# Allegro board BRD-05058-03_A1.brd (continued)
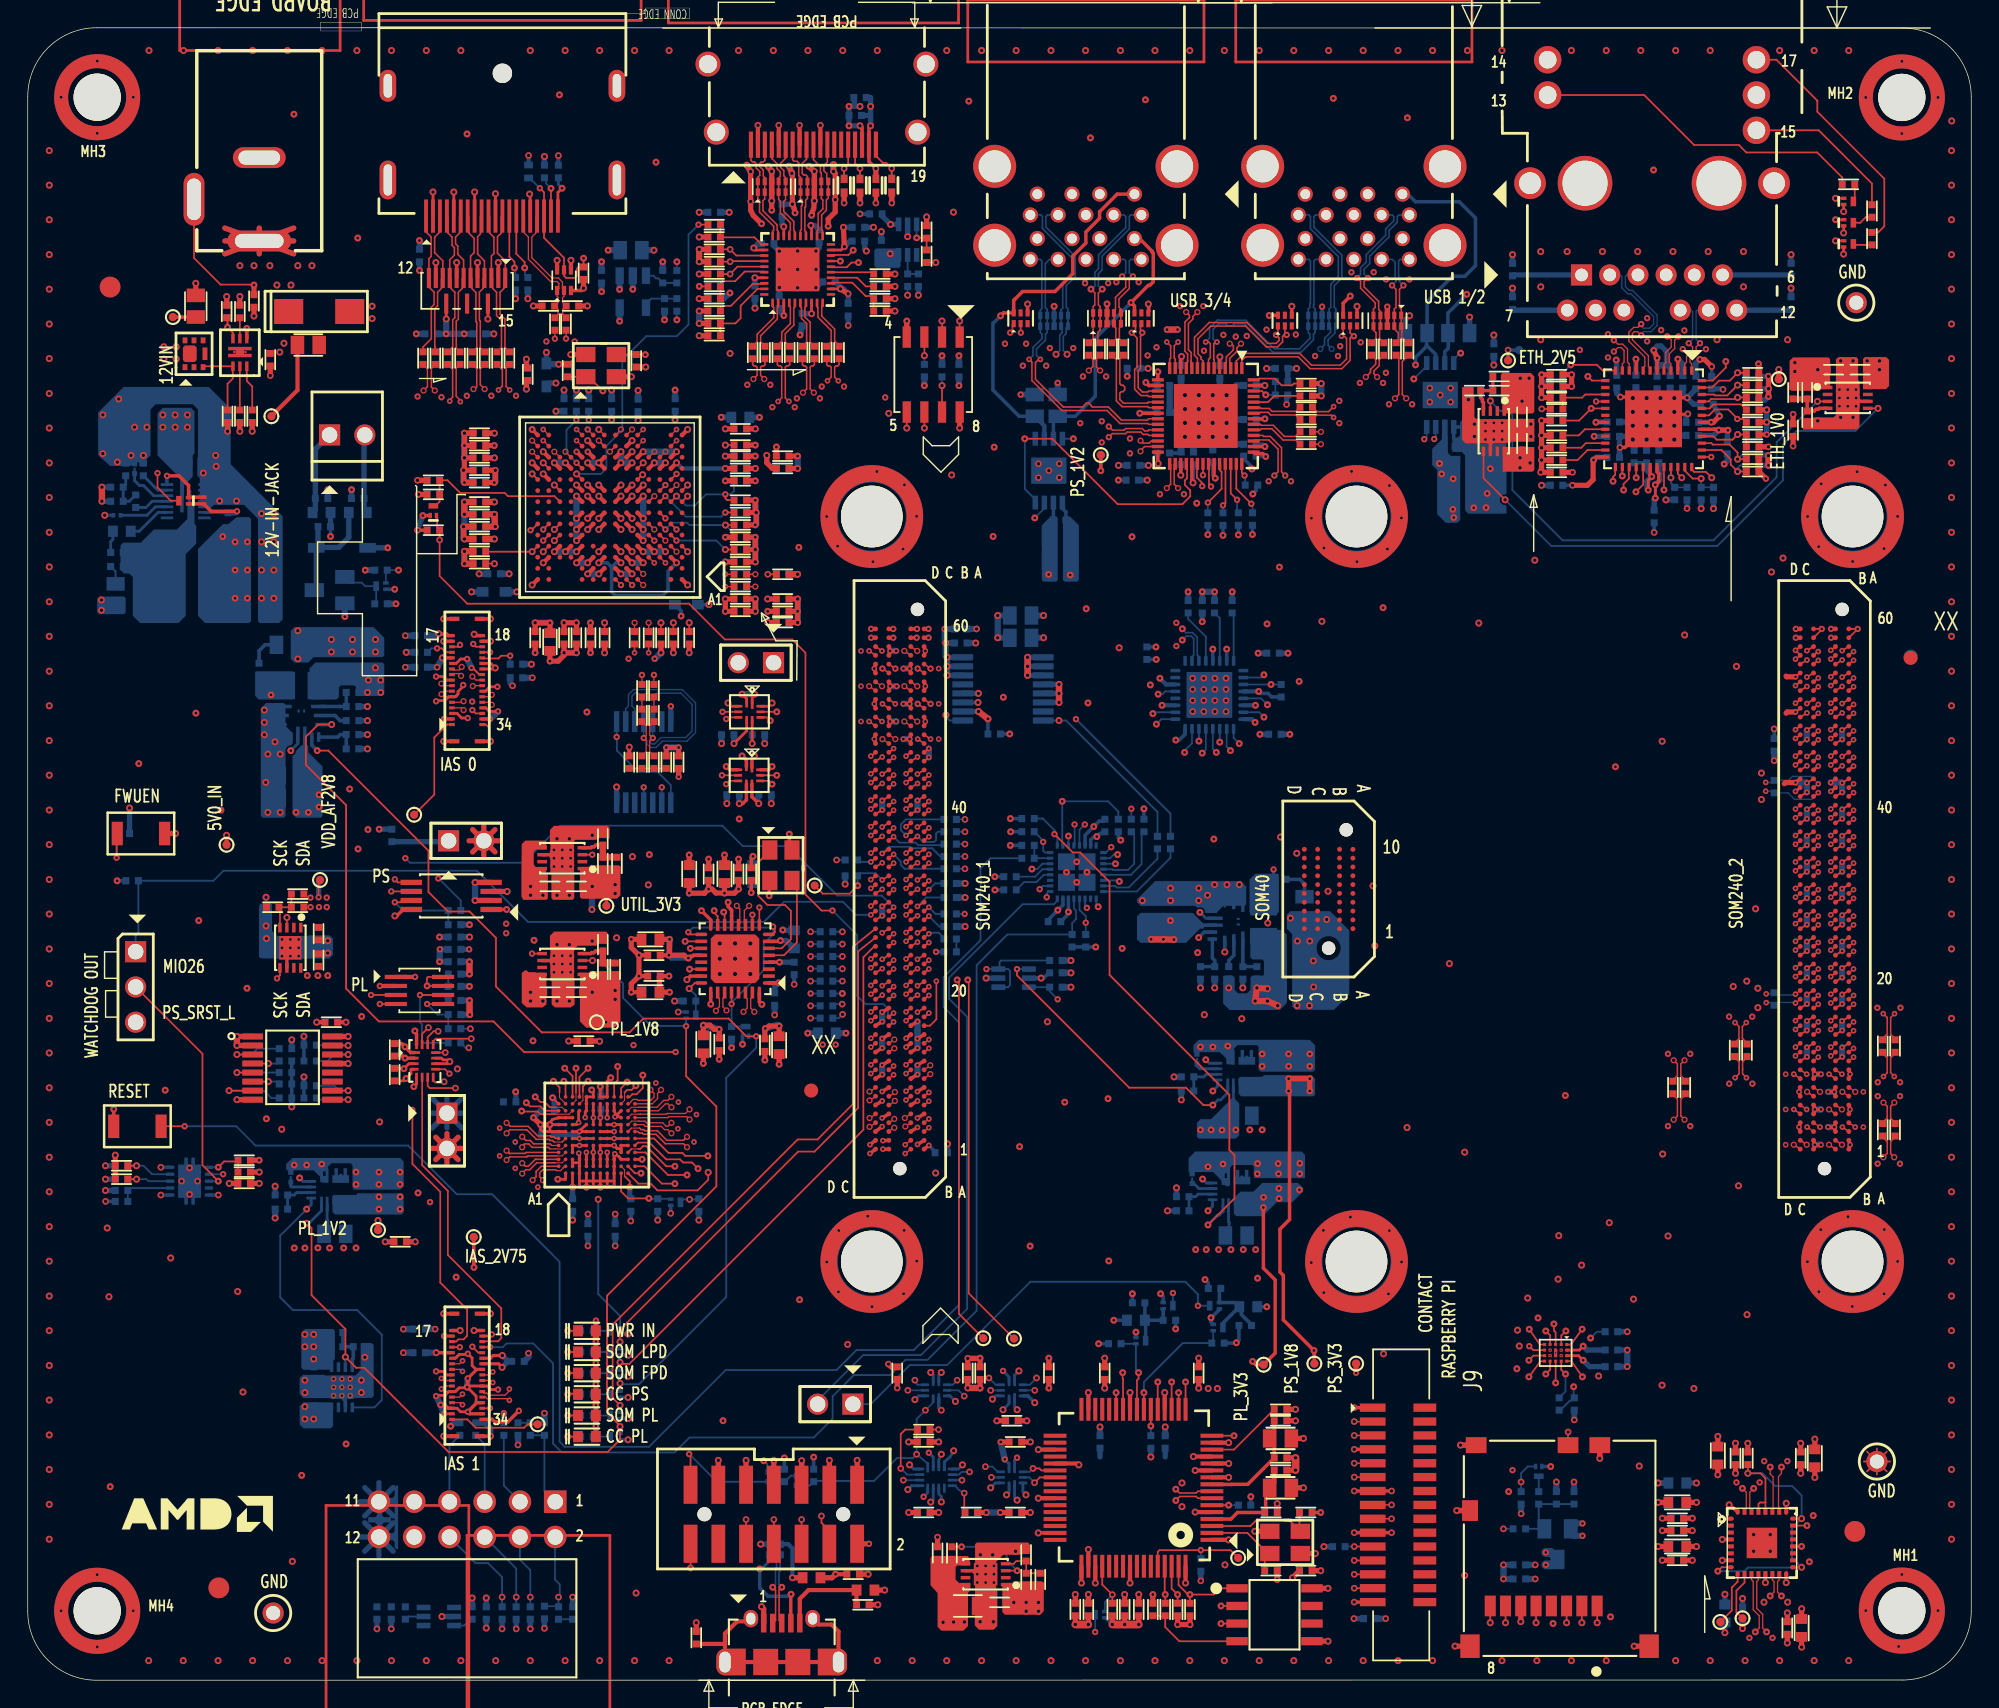
[diagram p0: board, top side]
## Text on the board
BOTTOM: 14 | LAYER 14 BOTTOM
Board Geometry/Soldermask Bottom: 18 | SOLDERMASK BOTTOM
Package Geometry/Pastemask Bottom: 20 | PASTEMASK BOTTOM
Ref Des/Silkscreen Bottom: E115289 | Electrical Safety | N | I | Z | E | D | R | C | O | G | VDD_AF2V8 | PL_1V2 | IAS_2V75 | PL_1V8 | ETH_2V5 | ETH_1V0 | PS_1V2 | PL_3V3 | PS_1V8 | PS_3V3 | PN 128-05058-03 REV A1 | MET | RoHS | D3C386 | 10 | 16 | SILKSCREEN BOTTOM | HF
User.Comments: MH3 | J1 | R51 | TP3 | C52 | MH4 | SW2 | SW1 | Q5 | R50 | R46 | C50 | U41 | C207 | U18 | TP1 | C204 | J15 | R168 | Q22 | C239 | R269 | 11 | 12 | TP23 | J6 | C74 | J2 | C128 | C258 | C338 | C251 | C330 | C334 | C341 | C335 | C337 | C333 | R138 | R137 | C252 | TP19 | 17 | J8 | U15 | 34 | 18 | 15 | J7 | U9 | C23 | A1 | C43 | U34 | TP24 | U7 | C22 | C42 | C127 | DS1 | DS6 | DS2 | DS3 | DS4 | DS5 | C267 | TP7 | 1 | 2 | R205 | X4 | C41 | R194 | R186 | R178 | R188 | R185 | R187 | R189 | R192 | R193 | R180 | C62 | C69 | J5 | C107 | R176 | J3 | U32 | U17 | C240 | C242 | C247 | C343 | C332 | C260 | C331 | C342 | C244 | R81 | R146 | R141 | R145 | C245 | R151 | C246 | C214 | C213 | C254 | L4 | MH7 | D | X3 | C | MH5 | C80 | R66 | 4 | L5 | C88 | C87 | 5 | R179 | R190 | R181 | R89 | 19 | C81 | U11 | B | 40 | 20 | 60 | C78 | R241 | U31 | C101 | C326 | A | JA1 | 8 | C79 | C325 | X7 | C49 | U19 | U24 | X8 | U46 | C103 | C82 | C85 | R75 | U44 | X5 | C277 | C275 | C316 | R221 | R222 | C315 | C309 | C310 | L3 | C83 | C84 | L2 | X2 | X6 | R15 | U10 | R10 | TP13 | 14 | 13 | 7 | C13 | C146 | C145 | C173 | C172 | R103 | R113 | R114 | R115 | C158 | U38 | U36 | C197 | C202 | C200 | C199 | C198 | R108 | R107 | R106 | R102 | R125 | R104 | R105 | R109 | R116 | TP17 | 6 | J17 | Q4 | Q3 | Q2 | R112 | C16 | MH2 | U12 | C17 | J16 | JA2 | MH1 | MH8 | MH6 | D1 | U16 | U61 | U62 | J4 | U68 | U43 | U67 | J11 | J10 | J12 | C203 | Q21 | TP5 | R265 | C235 | C234 | TP9 | R135 | R133 | C206 | C205 | J13 | C117 | C118 | C119 | C120 | C121 | C122 | TP29 | TP27 | TP28 | C123 | C124 | TP30 | C340 | TP32 | TP33 | TP34 | TP31 | C241 | R206 | C268 | C248 | C215 | C106 | C255 | R38 | C249 | C21 | R199 | R80 | R171 | R23 | C211 | R24 | R85 | C112 | C63 | R173 | R39 | R172 | C216 | R170 | C111 | R83 | R73 | C110 | C227 | C70 | C60 | C226 | C58 | C212 | C59 | C229 | U28 | U30 | U27 | C57 | R174 | C228 | C54 | R169 | C231 | C61 | R155 | C72 | C55 | C67 | C56 | TP37 | U55 | C230 | U58 | C233 | U49 | C232 | C90 | U52 | C89 | R182 | R177 | C91 | R40 | TP38 | C92 | R41 | TP39 | C93 | C44 | R36 | C95 | C301 | C99 | C102 | C305 | C276 | R262 | C302 | C100 | C306 | C97 | R217 | R74 | R216 | R78 | R219 | C105 | R76 | R220 | R77 | U26 | TP21 | TP15 | C104 | C94 | TP11 | C279 | C281 | C280 | C282 | C12 | C15 | C349 | C351 | C347 | U40 | C195 | C345 | TP35 | C190 | TP36 | R240 | C194 | R6 | C164 | C192 | C14 | R17 | C193 | C189 | C350 | C346 | R127 | R124 | C352 | C348 | U50 | U51 | PCB EDGE | RESET | FWUEN | PS_SRST_L | MIO26 | IAS_2V75 | GND | PL_1V2 | PS | PL | IAS 0 | IAS 1 | PWR IN | SOM LPD | SOM FPD | CC PS | SOM PL | CC PL | PL_1V8 | UTIL_3V3 | USB 3/4 | USB 1/2 | ETH_2V5 | WATCHDOG OUT | 12VIN | 5V0_IN | PS_1V2 | 12V-IN-JACK | SCK | SDA | SOM240_1 | PL_3V3 | PS_1V8 | PS_3V3 | CONTACT | RASPBERRY PI | SOM240_2 | ETH_1V0 | J9
TOP: 1 | TOP SIDE
Board Geometry/Soldermask Top: 17 | SOLDERMASK TOP
Package Geometry/Pastemask Top: 19 | PASTEMASK TOP
Ref Des/Silkscreen Top: RESET | FWUEN | PS_SRST_L | MIO26 | GND | PL_1V2 | PL | PS | IAS 0 | IAS 1 | IAS_2V75 | PWR IN | SOM LPD | SOM FPD | CC PS | SOM PL | CC PL | PL_1V8 | UTIL_3V3 | USB 3/4 | USB 1/2 | ETH_2V5 | WATCHDOG OUT | 12VIN | 5V0_IN | 12V-IN-JACK | SCK | SDA | VDD_AF2V8 | SOM240_1 | PS_1V2 | PL_3V3 | SOM40 | PS_1V8 | PS_3V3 | CONTACT | RASPBERRY PI | SOM240_2 | ETH_1V0 | 15 | SILKSCREEN TOP
L02_GND: 2 | LAYER 2 GROUND
L03_SIG: 3 | LAYER 3 SIGNAL
L04_GND: 4 | LAYER 4 GROUND
L05_SIG: LAYER 5 SIGNAL | 5
L06_GND: 6 | LAYER 6 GROUND
L07_PWR: 7 | LAYER 7 POWER
L08_PWR: LAYER 8 POWER | 8
L09_GND: 9 | LAYER 9 GROUND
L10_SIG: LAYER 10 SIGNAL | 10
L11_GND: LAYER 11 GROUND | 11
L12_SIG: 12 | LAYER 12 SIGNAL
L13_GND: 13 | LAYER 13 GROUND
XSECTION_CHART: *  SURFACE - AIR 0 MIL | *  DIELECTRIC - CONFORMAL_COAT 0.8 MIL | L1 TOP CONDUCTOR - 05OZ_CU+PLATING 1.9 MIL | *  DIELECTRIC - P001-EM-828G-1080X1-RC66-PREG-3P21 3.21 MIL | L2 L02_GND PLANE - 05OZ_CU 0.6 MIL | *  DIELECTRIC - C001-EM-828G-2113X1-RC54-CORE-4P0 4 MIL | L3 L03_SIG CONDUCTOR - 05OZ_CU 0.6 MIL | *  DIELECTRIC - P002-EM-828G-2116X1-RC56-PREG-4P77 4.77 MIL | L4 L04_GND PLANE - 05OZ_CU 0.6 MIL | L5 L05_SIG CONDUCTOR - 05OZ_CU 0.6 MIL | L6 L06_GND PLANE - 05OZ_CU 0.6 MIL | *  DIELECTRIC - C002-EM-828G-1067X1-RC68P8-CORE-2P5 2.5 MIL | L7 L07_PWR PLANE - 1OZ_CU 1.2 MIL | *  DIELECTRIC - P003-EM-828G-2113X1-RC59-PREG-3P84 3.72 MIL | L8 L08_PWR PLANE - 1OZ_CU 1.2 MIL | L9 L09_GND PLANE - 05OZ_CU 0.6 MIL | L10 L10_SIG CONDUCTOR - 05OZ_CU 0.6 MIL | L11 L11_GND PLANE - 05OZ_CU 0.6 MIL | L12 L12_SIG CONDUCTOR - 05OZ_CU 0.6 MIL | L13 L13_GND PLANE - 05OZ_CU 0.6 MIL | L14 BOTTOM CONDUCTOR - 05OZ_CU+PLATING 1.9 MIL | DESIGN CROSS SECTION CHART | ___________________________ | TOTAL THICKNESS 64.02 MIL | 1-14 | 1-2 | 1-3 | 12-14
PAGE_OUTLINE: CONFIDENTIAL AND PROPRIETARY TO ADVANCED MICRO DEVICES INC. | C | 2023  ADVANCED MICRO DEVICES | AMD AND SHALL NOT BE REPRODUCED FOR MANUFACTURE OR ANY | OTHER PURPOSE WITHOUT PRIOR WRITTEN CONSENT FROM AMD. | INFORMATION CONTAINED ON THIS DRAWING IS THE PROPERTY OF | ISSUED | DRAWN | CHECKED | ENGRG | REV | 04-14-23 | DATE | APPROVED | 04-14-2023 | RAJAT | RAGHU | UNLESS OTHERWISE SPECIFIED | SCALE | SIZE | FSCM NO | A1 | PROTOTYPE | DWG NO | NONE | DIMENSIONS ARE IN INCHES | 2 PL DECIMALS +/- .010 | 3 PL DECIMALS +/- .005 | ANGLES + | FRACTIONS + | TOLERANCES ON; | SIGNATURES | DESCRIPTION | SAN JOSE, CA 95124 | 2100 LOGIC DR. | REVISIONS | D
DISPLAY_TOP: ARTWORK, ROHS COMPLIANT, ML STARTER KIT CARRIER CARD | PCB #    128-05058-03  REV A1 | Designed by AMD | LAYER: | SHEET     OF 20 | All Files are Confidential | RAGHU | DATE: | AMD DOC USE ONLY | REVISION: A1 | DATAPACK: Raa | 04/17/2023
DISPLAY_BOTTOM: MADE IN XX | XXX-YYZZ | LAYERS | DIFF WIDTHS | DIFF SPACING | SE WIDTHS | FAB HOUSE TO ADD NAME TO TOP SIDE HERE: | FAB HOUSE TO ADD YEAR TO TOP SIDE HERE: | FAB HOUSE TO ADD WEEKS TO TOP SIDE HERE: | MUST BE IN EXPOSED COPPER | MAKE SURE THAT IT DOES NOT SHORT OUT ANYTHING ON THE BOARD | "XX" = COUNTRY CODE PER ISO 3166 | FAB VENDOR TO ADD MADE IN "XX" | MAINTENANCE AGENCY TO TOP SIDE | HERE: | LAYER 12 | BOTTOM | TOP | LAYER 3 | LAYER 5 | LAYER 10 | TRACE WIDTHS AND SPACINGS | TABLE 1 | 4.5 MILS | 4.4 MILS | 90 OHM DIFF | 5.4 MILS | 5.6 MILS | 4 MILS | 5 MILS | 50 OHMS | TABLE 2 | 3.7 MILS | 3.6 MILS | 100 OHM DIFF | 6.3 MILS | 6.4 MILS | 128-05058-03 | DATA PACK: Raa | 14. 100% ELECTRICAL TEST REQUIRED FOR CONTINUITY. BOARD SHALL HAVE A | 11. FINISH: OSP PLATING. | 10. SOLDER MASK REGISTRATION TO BE WITHIN DIAMETRICAL TRUE POSITION OF + / - 0.002"WITH APPLICABLE | 15. ALL VIAS ACUTAL DRILL SIZE TO BE +.001/-.001 INCHES. | 17. DRILL SIZES LISTED IN LEGEND ARE CONSIDERED FINIHSED HOLE SIZES. | 20. IMPEDANCE LAYERS TO HAVE A TOL. OF +/-10%. | 12. SILKSCREEN USING WHITE RoHS COMPLIANT, HALOGEN FREE MATERIAL | 19. THE 37.4 MIL NPTH IS A DRILL ON PAD AND SHOULD MAINTAIN A +/- 1 MIL TOLERANCE (4 PLACES) | 13. VENDOR LOGO AND DATE CODE TO BE MARKED ON LAYER 1 TOPSIDE. | 16. ANY VIA WITH A FINISHED HOLE SIZE 12 MILS OR LESS MAY BE TREATED AS DRILL SIZE. | 18. ALL 7.1 MIL VIAS TO BE PLUGGED WITH SOLDERMASK. | 1. USE ARTWORK FROM JOB: 128-05058-03-REV-A1-Raa | NOTES: (UNLESS OTHERWISE SPECIFIED) | THIS FAB SHOULD BE "RoHS COMPLIANT". | 2. PLEASE SEE INTENTIONAL SHORT LIST: 128-05058-03-REV-A1-Raa_SHORTLIST | 3. THERE SHOULD BE NO OPEN NETS ON THIS DESIGN. | 5. FABRICATE TO IPC-A-600, CURRENT REVISION | 6. BOARD SHALL MEET THE INSPECTION CRITERIA OF | 7. SEE STACKUP DIAGRAM BELOW FOR MATERIAL. GLASS TRANSITION TEMPERATURE MUST MEET OR | 8. APPLY SOLDER MASK OVER BARE COPPER (SMOBC) IAW. IPC-SM-840, BOTH SIDES, USING LPI, COLOR GREEN | 9. LPI SOLDER MASK SHOULD BE RoHS COMPLIANT, HALOGEN FREE MATERIAL | 4. ODB++ USED FOR FAB MUST BE VERIFIED AGAINST THE PROVIDED IPC356 NETLIST. COPPER SLIVERS THAT ARE | EXCEED THE TEMPERATURE EXHIBITED WITH HIGH TEMPERATURE PROCESSES ASSOCIATED WITH LEAD FREE ASSEMBLY. | LESS THAN 0.003" IN WIDTH BETWEEN ANTI-PAD TO PLANE EDGE, ANTI-PAD TO SPLIT PLANE AND ANTI-PAD TO | FINISHED HOLE TOL. +0/- DRILL SIZE. HOLE CAN BE PLATED SHUT. | 0.003" COPPER WIDTH MUST BE ADDRESSED AND APPROVED IN WRITING BY SUPPLIER. | BOTH SIDES DISTORTION OF SILKSCREEN IS ACCEPTABLE  OVER TRACES.  EPOXY INK ON SOLDER LANDS IS | UL-RATING OF 94V-0. UL SYMBOL AND RATING SHALL BE MARKED SOLDER SIDE IN SILKSCREEN. | NO VIOLATION AFTER THE REMOVAL OF SLIVERS. ANY REQUIREMENT FOR SLIVER REMOVAL ABOVE OR EQUAL TO THE | NOT ACCEPTABLE. CLIP SILKSCREEN ON TOP OF ANY PAD OR VIA. | ANTI-PAD MUST BE REMOVED FROM THE MANUFACTURING ARTWORK. A NETLIST COMPARISON MUST BE PASSED WITH | HOLE/PAD. | ALL SPECIFIED TRACE WIDTHS ARE FINISHED TRACE WIDTHS. | a- ACCEPTABILITY AS PER IPC-A-600 (LATEST REVISION) CLASS II | b- QUALIFICATION AND PERFORMANCE AS PER IPC-6012 (LATEST REVISION)  CLASS II. | 27. JA1.1 AND JA2.1 ABSOLUTE POSITION TO BE 2622.5 MILS CENTER TO CENTER +/- 1 MIL | 29. THIEVING: DO NOT ADD COPPER THIEVING ON TOP LAYER OR BOTTOM LAYER. | 21. FOR IMPEDANCE DETAILS REFER TABLE NO 1,2 IN FAB DRAWING. | 22. FOR DRILL DETAILS REFER TO DRILL TABLES | 23. PLEASE SEE PANEL DRAWING FOR PANEL LAYOUT AND ASSEMBLY RAILS. THE PANEL LAYOUT AND | 24. TABS TO BE ROUTED OUT AFTER ASSEMBLY. | 25. BOARDS MAY NEED TO BE BAKED AFTER FABRICATION DUE TO PLATING AND MATERIAL TYPE. | 26. COPPER PLATING THICKNESS 1.3 MILS MINIMUM | 28. REMOVE ALL UNUSED PADS FROM INTERNAL LAYERS. | RAILS. PLEASE CONTACT AMD BEFORE CHANGING. | THIEVING PATTERN IS TO BE 30 MIL SQUARE PADS. 50 MIL SPACING. | THIEVING TO BE ADDED ON INTERNAL LAYERS TO ACHIEVE BALANCED COPPER DENSITY. | ASSEMBLY RAILS SHOULD NOT BE CHANGED.IF THERE IS A ISSUE WITH THE PANEL LAYOUT AND ASSEMBLY | BALANCE OF COPPER IN UPPER AND LOWER HALFS OF THE BOARD TO BE WITHIN 1 SQ. MILLI-METER. | MAINTAIN 60 MILS CLEARANCE TO COPPER FEATURE. PLEASE PROVIDE A COPPER DENSITY REPORT BEFORE FAB. | 128-05058-03-REV-A1 | FABRICATION DRAWING | PCB,ROHS COMPLIANT
BODY_CENTER: * | U72 | Electrical Safety | E115289 | PCB EDGE | CONN EDGE | MH3 | J1 | R51 | TP3 | C52 | MH4 | SW2 | Q5 | SW1 | R50 | R46 | C50 | R290 | U41 | U73 | C207 | U18 | TP1 | C204 | J15 | R168 | Q22 | C239 | R269 | TP56 | C385 | R292 | C74 | 11 | 12 | J6 | J2 | C258 | C338 | C251 | C330 | C334 | C341 | C335 | C337 | C333 | R138 | R137 | TP19 | 17 | C128 | U15 | J8 | TP23 | J18 | 34 | 18 | 15 | J7 | U9 | C23 | A1 | C43 | TP24 | U7 | C22 | C42 | C127 | DS1 | DS6 | DS2 | DS3 | DS4 | DS5 | C267 | TP7 | 1 | 2 | R205 | X4 | C41 | U34 | R194 | R186 | R178 | R188 | R193 | R185 | R187 | R189 | R192 | R180 | C62 | C69 | J5 | J20 | C107 | R176 | J3 | U32 | C240 | C247 | J21 | C343 | C332 | C260 | C331 | L4 | C244 | R81 | C242 | R146 | R141 | R145 | C245 | R151 | C246 | C214 | C213 | C254 | C342 | X3 | MH7 | D | C | MH5 | C80 | R66 | 4 | L5 | C88 | C87 | 5 | R179 | R190 | R181 | R89 | 19 | C81 | U11 | B | 40 | 20 | 60 | C78 | R241 | U31 | C101 | C326 | A | JA1 | 8 | C79 | C325 | X7 | U24 | X8 | U46 | C103 | C82 | U44 | X5 | C309 | C310 | C85 | R75 | L3 | C83 | C84 | L2 | X6 | U26 | X2 | C316 | R221 | R222 | C315 | MH10 | MH9 | R15 | U10 | R10 | TP13 | 14 | 13 | 7 | C13 | C146 | C145 | C173 | C172 | R103 | R113 | R114 | R115 | C158 | U38 | U36 | C197 | C202 | C200 | C199 | C198 | R108 | R107 | R106 | R102 | R125 | R104 | R105 | R109 | R116 | TP17 | 6 | J17 | Q4 | Q3 | Q2 | R112 | C16 | MH2 | U12 | C17 | J16 | JA2 | MH1 | MH8 | MH6 | TP50 | R117 | R121 | R120 | R119 | R118 | C157 | C155 | C162 | C159 | R130 | C175 | C176 | C201 | C144 | C153 | R126 | C166 | C154 | TP49 | C312 | C368 | C177 | C369 | C274 | C311 | C317 | U45 | R259 | C143 | C272 | R225 | C300 | R270 | R271 | C321 | C1 | C2 | C277 | C275 | C286 | C297 | C284 | D3 | R79 | C298 | U3 | U4 | C6 | R293 | U1 | C388 | C20 | Q25 | C283 | R14 | R16 | R18 | R20 | Q26 | C296 | C285 | C291 | C292 | C299 | U19 | R296 | R243 | C328 | R244 | D4 | R295 | C353 | C354 | U14 | Q19 | C390 | R299 | R7 | R28 | U65 | U64 | C49 | C391 | C313 | C314 | C318 | U70 | U47 | R306 | R302 | R248 | R249 | R253 | R252 | R251 | R44 | R162 | R163 | R164 | R165 | R264 | C344 | U22 | C323 | C324 | U25 | C261 | C223 | C221 | R283 | R282 | R280 | R281 | R279 | R278 | R277 | R276 | C66 | C263 | C361 | R250 | R263 | C108 | C359 | C114 | C336 | C243 | R154 | R153 | C259 | X1 | C357 | C222 | C225 | C115 | L11 | C109 | R237 | Q16 | Q6 | Q17 | Q7 | Q8 | Q9 | Q10 | U29 | C266 | R157 | R254 | R158 | R159 | R160 | R161 | TP54 | C126 | R258 | C140 | C131 | L10 | C133 | C383 | C252 | R256 | C329 | R54 | R55 | R287 | C271 | TP55 | C142 | R257 | C141 | C256 | C270 | U42 | R261 | C73 | R56 | R286 | R255 | C53 | C64 | R260 | C135 | C134 | Q20 | TP52 | C209 | R43 | R13 | R42 | D2 | L9 | C9 | U8 | R29 | R12 | TP57 | R59 | R64 | U5 | R65 | R60 | R27 | C27 | C26 | C208 | C34 | L8 | C32 | C33 | C35 | C210 | Z5 | C11 | C10 | R21 | R26 | R58 | R61 | R62 | R57 | R63 | R224 | U2 | C30 | U13 | L1 | C36 | C236 | U6 | C31 | R45 | C51 | R49 | R47 | R48 | R30 | C39 | R34 | R33 | C37 | C319 | D1 | U61 | U16 | U62 | J4 | U68 | U43 | U67 | J11 | J10 | U66 | U37 | U69 | U33 | J12 | C203 | Q21 | R265 | C235 | C234 | TP5 | R135 | R133 | C206 | C205 | J13 | C387 | C386 | C117 | C118 | C119 | C382 | C381 | C120 | C121 | TP27 | C122 | C123 | J19 | C124 | C340 | TP31 | C241 | R206 | C268 | C215 | C248 | C212 | R174 | C106 | R169 | C255 | R38 | C249 | R155 | C21 | R199 | R80 | R171 | R23 | C211 | R24 | C112 | R85 | C63 | R173 | R39 | R172 | C216 | R170 | R83 | C111 | R73 | C110 | C227 | C70 | C60 | C226 | C58 | C59 | C229 | U28 | U30 | U27 | C54 | C57 | C228 | C61 | C231 | C72 | C55 | C56 | TP37 | U55 | C230 | U58 | C233 | U49 | C232 | U52 | C90 | C89 | R182 | R177 | C91 | R40 | TP38 | C92 | R41 | TP39 | C93 | C44 | R36 | C95 | C301 | C99 | C102 | C305 | R262 | C302 | TP9 | C100 | C306 | C97 | R74 | R78 | R76 | R77 | C105 | TP46 | TP21 | TP15 | C104 | C94 | TP11 | C279 | C281 | C280 | C282 | C12 | C15 | C349 | C351 | U40 | C347 | C195 | TP35 | C190 | TP36 | R240 | C345 | C194 | R6 | C164 | C192 | C14 | R17 | C193 | C189 | C350 | C346 | R127 | R124 | C352 | C348 | C169 | C168 | R284 | R285 | C129 | C196 | C191 | R110 | C150 | R122 | C148 | R123 | C151 | R111 | C165 | C167 | C163 | C161 | C152 | C147 | C160 | C156 | C367 | R236 | C178 | Q15 | C170 | C171 | R247 | R272 | R273 | C149 | TP48 | TP51 | R210 | R213 | C8 | C19 | R209 | C7 | R218 | C273 | C18 | TP53 | R1 | R220 | C278 | R294 | R2 | R219 | C5 | R216 | C290 | R5 | R217 | R4 | Q23 | C303 | Q24 | R307 | C3 | Z2 | Z4 | C289 | C295 | C389 | C96 | C304 | R308 | C4 | R235 | R303 | R207 | C276 | R288 | R208 | TP47 | R304 | C98 | C75 | C294 | C293 | C116 | R88 | U48 | R87 | R184 | R183 | C364 | C262 | C362 | C217 | C363 | C358 | R233 | C218 | Q12 | C71 | R234 | C219 | C360 | C65 | Q13 | C68 | C220 | C67 | Q11 | R232 | R90 | R198 | Q1 | R197 | C339 | R195 | R196 | R91 | C257 | C136 | C253 | C130 | C132 | R84 | C125 | C265 | C371 | R175 | C365 | R275 | C113 | C137 | L12 | C373 | R200 | C372 | C375 | R274 | C366 | C250 | C378 | C370 | C380 | C374 | R202 | C237 | R203 | C377 | R167 | C379 | C269 | C384 | R166 | C238 | C25 | C45 | C376 | C24 | C48 | C28 | C29 | C320 | C38 | R134 | R32 | C40 | Z1 | R223 | R31 | U50 | U51 | Q14 | Q18 | R268 | PCB EDGE IF IN CASEING | G | O | E | R | Z | I | N | RESET | FWUEN | PS_SRST_L | MIO26 | GND | PL_1V2 | PL | PS | IAS 0 | IAS 1 | IAS_2V75 | PWR IN | SOM LPD | SOM FPD | CC PS | SOM PL | CC PL | PL_1V8 | UTIL_3V3 | U17 | USB 3/4 | 10 | USB 1/2 | ETH_2V5 | ETH_1V0 | VDD_AF2V8 | WATCHDOG OUT | 12VIN | 5V0_IN | 12V-IN-JACK | SCK | SDA | SOM240_1 | PS_1V2 | PL_3V3 | SOM40 | PS_1V8 | PS_3V3 | CONTACT | RASPBERRY PI | SOM240_2 | JA3 | PN 128-05058-03 REV A1 | BOARD EDGE | XX | PCB EDGE W/NOTCH | D3C386 | RoHS | MET | J9 | HF | 128-05058-03-REV-A1 | PCB ASSEMBLY | 128-05058-03 | DATA PACK: Raa | NOTES: (UNLESS OTHERWISE SPECIFIED) | 3. REFERENCE SCHEMATIC (OR AVL) FOR BILL OF MATERIALS. | 4. INSTALL SHUNT AT J18 PINS 1-2 WHERE SHOWN. | 2. BAG AND TAG (OR MARK CONTAINER) WITH PART NUMBER. | 5. APPLY ADHESIVE BUMPERS, 4 PLACES CENTERED ON MH1, MH2, MH3 AND MH4 WHERE SHOWN BOTTOM SIDE. | 1. ASSEMBLE TO MEET INSPECTION CRITERIA OF | 6. APPLY SERIAL NUMBER LABEL ON BOTTOM SIDE WHERE SHOWN. REFER TO LABELLING DOCUMENT FOR DETAILS. | 7. ROUTE OUT ASSEMBLY TABS AFTER ASSEMBLY IS COMPLETE. | 8. FAB IS BOUND TO USE "SAC305" SOLDER PASTE FOR COMPONENT ASSEMBLY. | IPC-A-610, CLASS 2, CURRENT REVISION. | ENSURE BOARD EDGES ARE LEFT SMOOTH. | PRIMARY SIDE | SECONDARY SIDE
User.9: FIGURE | FINISHED_SIZE | 7.1 | 8.0 | 9.8 | 12.0 | 28.0 | 36.0 | 40.0 | 44.0 | 50.0 | 51.0 | 62.0 | 91.0 | 128.0 | 38.0 | 55.0 | 134.0 | 175.0 | 33.4646x25.5906 | 59.0x32.0 | 67.0x24.0 | 88.0x24.0 | 118.0x40.0 | 138.0x40.0 | DRILL CHART: TOP to BOTTOM | ALL UNITS ARE IN MILS | TOLERANCE_DRILL | +2.0/-2.0 | +3.0/-3.0 | +1.0/-1.0 | PLATED | NON-PLATED | QTY | 459 | 107 | 954 | 1252 | 41 | 36 | 12 | 3 | 25 | 5 | 4 | 2 | 8 | 6 | 1
User.10: FIGURE | FINISHED_SIZE | 10.0 | DRILL CHART: TOP to L03_SIG | ALL UNITS ARE IN MILS | TOLERANCE_DRILL | +2.0/-2.0 | PLATED | QTY | 123
User.11: * PLEASE FILL OUT AND ADD 2D BAR CODE HERE: | 2D BARCODE LEGEND | PCB VENDOR: V (FIRST LETTER OF FAB HOUSE) | PCB NUMBER: 128-05058-03 | PCB REVISION: REV-A1 | PCB DATECODE: YYWW | PCB supplier number: xxxxxxxxxxxxx | ROTATE IMAGE 180 DEGREES | ORIGIN ORIGIAL ARTWORK | 128-05058-03 | DATA PACK: Raa | 128-05058-03-REV-A1 | PCB,ROHS COMPLIANT | PANEL DRAWING
User.12: FIGURE | FINISHED_SIZE | 10.0 | DRILL CHART: L12_SIG to BOTTOM | ALL UNITS ARE IN MILS | TOLERANCE_DRILL | +2.0/-2.0 | PLATED | QTY | 2
User.20: FIGURE | FINISHED_SIZE | 4.0 | DRILL CHART: TOP to L02_GND | ALL UNITS ARE IN MILS | TOLERANCE_DRILL | +2.0/-2.0 | PLATED | QTY | 5
